# Altium PCB DIO_MCX_Isolated.PCBDOC (part 4 of 5)
Units mm, origin at the board's own origin, x right, y up, seen from the top; angles counter-clockwise.
Board outline 220 x 100 mm, 4 copper layers (L1, P2, P3, L4), stack 1.571 mm thick; 384 components, 255 nets, 1667 pads, 660 vias.
Unrouted connection lines stored in the file: 783.
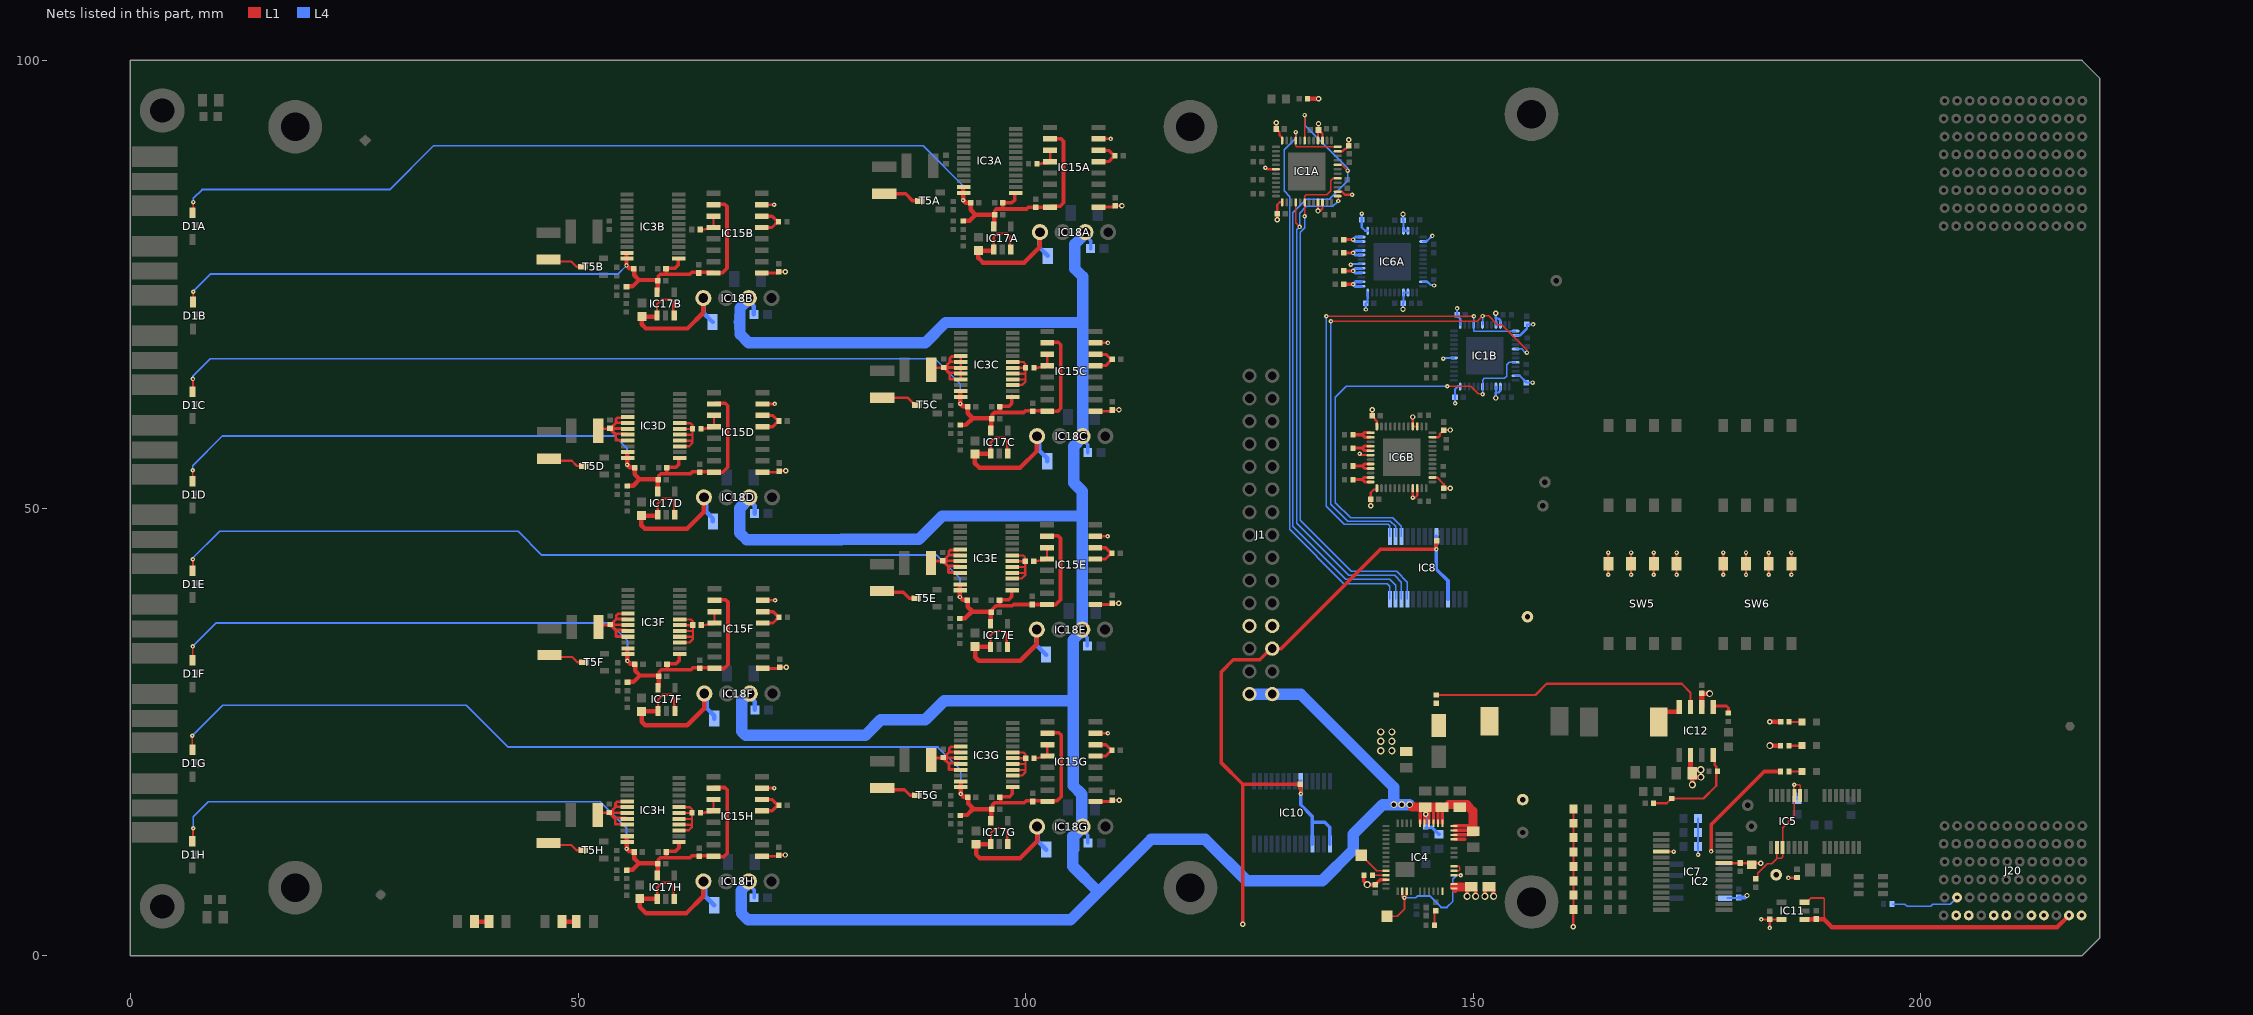
[diagram p6: the nets of this part, all layers, seen from the top]

## Via types
v1: diameter 0.5, hole 0.2, L1 to L4, tented both sides, 381 vias
v2: diameter 0.6, hole 0.3, L1 to L4, tented both sides, 206 vias
v3: diameter 0.5, hole 0.2, L1 to L4, 49 vias
v4: diameter 0.8, hole 0.5, L1 to L4, tented both sides, 19 vias
v5: diameter 0.7, hole 0.4, L1 to L4, tented both sides, 5 vias

## Nets (pads, with @x,y where several pads share a name; then routed paths per layer and width w, separated by ;. In a path a pad name is that pad's centre, name@x,y a point inside that pad or via, vN(x,y) a via of type N, cw(c..) or ccw(c..) an arc to the next point about the centre after c; other vN are vias at no path point) (continued)
NetIC3C_3: IC3C.3 IC3C.4 IC3C.5 IC3C.6 IC3C.7 R63C.1 | length 9.5
  L1 w0.254: IC3C.3@98.534,63.707 98.562,63.735 99.602,63.735 99.979,64.112 99.979,64.396 ; IC3C.4@98.534,64.357 99.94,64.357 99.979,64.396 ; IC3C.5@98.534,65.007 99.968,65.007 99.979,64.996 ; IC3C.6@98.534,65.657 98.545,65.668 R63C.1@99.979,65.668 ; IC3C.7@98.534,66.307 99.753,66.307 99.964,66.096 99.964,65.683 R63C.1@99.979,65.668 ; 99.979,64.396 99.979,64.996 ; 99.979,64.996 R63C.1@99.979,65.668
NetIC3C_17: IC3C.17 IC3C.18 IC3C.19 IC3C.20 IC3C.21 R62C.2 R65C.2 | length 14
  L1 w0.3: R62C.2@89.46,65.455 89.687,65.683 R65C.2@90.88,65.683 ; R65C.2@90.94,65.573 91.519,64.994 91.519,64.402 92.672,64.402 92.711,64.441 IC3C.21@92.75,64.402 ; IC3C.21@92.75,64.372 IC3C.19@92.75,65.672 IC3C.17@92.75,66.972 ; IC3C.20@92.75,65.052 92.675,65.127 91.486,65.127 91.24,65.373 91.24,65.707 ; IC3C.19@92.75,65.702 92.744,65.707 91.24,65.707 ; IC3C.18@92.75,66.352 91.55,66.352 ; IC3C.17@92.75,67.002 92.675,66.927 91.725,66.927 91.55,66.751 91.55,66.352 ; 91.24,65.707 91.24,66.042 91.284,66.086 91.305,66.086 91.467,66.248 91.467,66.269 91.55,66.352
NetIC3D_3: IC3D.3 IC3D.4 IC3D.5 IC3D.6 IC3D.7 R63D.1 | length 9.5
  L1 w0.254: IC3D.3@61.35,56.883 61.378,56.911 62.418,56.911 62.795,57.288 62.795,57.572 ; IC3D.4@61.35,57.533 62.756,57.533 62.795,57.572 ; IC3D.5@61.35,58.183 62.783,58.183 62.795,58.172 ; IC3D.6@61.35,58.833 61.361,58.844 R63D.1@62.795,58.844 ; IC3D.7@61.35,59.483 62.569,59.483 62.78,59.272 R63D.1@62.78,58.859 R63D.1@62.795,58.844 ; 62.795,57.572 62.795,58.172 ; 62.795,58.172 R63D.1@62.795,58.844
NetIC3D_17: IC3D.17 IC3D.18 IC3D.19 IC3D.20 IC3D.21 R62D.2 R65D.2 | length 11.3
  L1 w0.3: R62D.2@52.245,58.631 52.473,58.859 R65D.2@53.565,58.859 ; R65D.2@53.625,58.749 54.204,58.17 54.204,57.577 55.358,57.577 55.396,57.616 IC3D.21@55.435,57.577 ; IC3D.20@55.435,58.227 55.36,58.302 54.172,58.302 53.925,58.549 53.925,58.883 ; IC3D.19@55.435,58.877 55.43,58.883 53.925,58.883 ; IC3D.18@55.435,59.527 54.235,59.527 ; IC3D.17@55.435,60.177 55.36,60.102 54.411,60.102 54.235,59.927 54.235,59.527 ; 53.925,58.883 53.925,59.218 53.969,59.262 53.99,59.262 54.152,59.424 54.152,59.445 54.235,59.527
NetIC3E_3: IC3E.3 IC3E.4 IC3E.5 IC3E.6 IC3E.7 R63E.1 | length 9.5
  L1 w0.254: IC3E.3@98.5,42.106 98.528,42.134 99.568,42.134 99.944,42.511 99.944,42.795 ; IC3E.4@98.5,42.756 99.906,42.756 99.944,42.795 ; IC3E.5@98.5,43.406 99.933,43.406 99.944,43.395 ; IC3E.6@98.5,44.056 98.511,44.067 R63E.1@99.944,44.067 ; IC3E.7@98.5,44.706 99.719,44.706 99.93,44.495 99.93,44.082 R63E.1@99.944,44.067 ; 99.944,42.795 99.944,43.395 ; 99.944,43.395 R63E.1@99.944,44.067
NetIC3E_17: IC3E.17 IC3E.18 IC3E.19 IC3E.20 IC3E.21 R62E.2 R65E.2 | length 11.3
  L1 w0.3: R62E.2@89.425,43.854 89.653,44.082 R65E.2@90.745,44.082 ; R65E.2@90.805,43.972 91.384,43.393 91.384,42.801 92.537,42.801 92.576,42.839 IC3E.21@92.615,42.801 ; IC3E.20@92.615,43.451 92.54,43.526 91.351,43.526 91.105,43.772 91.105,44.106 ; IC3E.19@92.615,44.101 92.609,44.106 91.105,44.106 ; IC3E.18@92.615,44.751 91.415,44.751 ; IC3E.17@92.615,45.401 92.54,45.326 91.591,45.326 91.415,45.15 91.415,44.751 ; 91.105,44.106 91.105,44.441 91.149,44.485 91.17,44.485 91.332,44.647 91.332,44.668 91.415,44.751
NetIC3F_3: IC3F.3 IC3F.4 IC3F.5 IC3F.6 IC3F.7 R63F.1 | length 9.5
  L1 w0.254: IC3F.3@61.39,34.964 61.418,34.992 62.458,34.992 62.835,35.368 62.835,35.652 ; IC3F.4@61.39,35.614 62.796,35.614 62.835,35.652 ; IC3F.5@61.39,36.264 62.823,36.264 62.835,36.252 ; IC3F.6@61.39,36.914 61.401,36.925 R63F.1@62.835,36.925 ; IC3F.7@61.39,37.564 62.609,37.564 62.82,37.352 R63F.1@62.82,36.939 R63F.1@62.835,36.925 ; 62.835,35.652 62.835,36.252 ; 62.835,36.252 R63F.1@62.835,36.925
NetIC3F_17: IC3F.17 IC3F.18 IC3F.19 IC3F.20 IC3F.21 R62F.2 R65F.2 | length 11.3
  L1 w0.3: R62F.2@52.285,36.711 52.513,36.939 R65F.2@53.605,36.939 ; R65F.2@53.665,36.829 54.244,36.251 54.244,35.658 55.398,35.658 55.436,35.697 IC3F.21@55.475,35.658 ; IC3F.20@55.475,36.308 55.4,36.383 54.212,36.383 53.965,36.629 53.965,36.964 ; IC3F.19@55.475,36.958 55.47,36.964 53.965,36.964 ; IC3F.18@55.475,37.608 54.275,37.608 ; IC3F.17@55.475,38.258 55.4,38.183 54.451,38.183 54.275,38.007 54.275,37.608 ; 53.965,36.964 53.965,37.298 54.009,37.342 54.03,37.342 54.192,37.505 54.192,37.525 54.275,37.608
NetIC3G_3: IC3G.3 IC3G.4 IC3G.5 IC3G.6 IC3G.7 R63G.1 | length 9.5
  L1 w0.254: IC3G.3@98.542,20.104 98.571,20.132 99.611,20.132 99.987,20.509 99.987,20.793 ; IC3G.4@98.542,20.754 99.948,20.754 99.987,20.793 ; IC3G.5@98.542,21.404 99.976,21.404 99.987,21.393 ; IC3G.6@98.542,22.054 98.554,22.065 R63G.1@99.987,22.065 ; IC3G.7@98.542,22.704 99.761,22.704 99.973,22.493 99.973,22.08 R63G.1@99.987,22.065 ; 99.987,20.793 99.987,21.393 ; 99.987,21.393 R63G.1@99.987,22.065
NetIC3G_17: IC3G.17 IC3G.18 IC3G.19 IC3G.20 IC3G.21 R62G.2 R65G.2 | length 11.3
  L1 w0.3: R62G.2@89.468,21.852 89.696,22.08 R65G.2@90.788,22.08 ; R65G.2@90.848,21.97 91.427,21.391 91.427,20.799 92.58,20.799 92.619,20.838 IC3G.21@92.658,20.799 ; IC3G.20@92.658,21.449 92.583,21.524 91.394,21.524 91.148,21.77 91.148,22.104 ; IC3G.19@92.658,22.099 92.652,22.104 91.148,22.104 ; IC3G.18@92.658,22.749 91.458,22.749 ; IC3G.17@92.658,23.399 92.583,23.324 91.634,23.324 91.458,23.148 91.458,22.749 ; 91.148,22.104 91.148,22.439 91.192,22.483 91.213,22.483 91.375,22.645 91.375,22.666 91.458,22.749
NetIC3H_3: IC3H.3 IC3H.4 IC3H.5 IC3H.6 IC3H.7 R63H.1 | length 9.5
  L1 w0.254: IC3H.3@61.293,13.978 61.321,14.007 62.361,14.007 62.737,14.383 62.737,14.667 ; IC3H.4@61.293,14.628 62.699,14.628 62.737,14.667 ; IC3H.5@61.293,15.278 62.726,15.278 62.737,15.267 ; IC3H.6@61.293,15.928 61.304,15.94 R63H.1@62.737,15.94 ; IC3H.7@61.293,16.578 62.512,16.578 62.723,16.367 R63H.1@62.723,15.954 R63H.1@62.737,15.94 ; 62.737,14.667 62.737,15.267 ; 62.737,15.267 R63H.1@62.737,15.94
NetIC3H_17: IC3H.17 IC3H.18 IC3H.19 IC3H.20 IC3H.21 R62H.2 R65H.2 | length 11.3
  L1 w0.3: R62H.2@52.188,15.726 52.416,15.954 R65H.2@53.508,15.954 ; R65H.2@53.568,15.844 54.147,15.265 54.147,14.673 55.3,14.673 55.339,14.712 IC3H.21@55.378,14.673 ; IC3H.20@55.378,15.323 55.303,15.398 54.114,15.398 53.868,15.644 53.868,15.979 ; IC3H.19@55.378,15.973 55.372,15.979 53.868,15.979 ; IC3H.18@55.378,16.623 54.178,16.623 ; IC3H.17@55.378,17.273 55.303,17.198 54.354,17.198 54.178,17.022 54.178,16.623 ; 53.868,15.979 53.868,16.313 53.912,16.357 53.933,16.357 54.095,16.519 54.095,16.54 54.178,16.623
NetIC4_4: IC4.4 IC4.43 IC4.44 TP2.1 | length 15.9
  L1 w0.152: IC4.4@147.854,8.995 v1@148.498,8.995
  L1 w0.2: TP2.1@140.356,4.4 141.5,4.4 142.3,5.2 v1(142.3,6.471) ; IC4.43@142.054,7.195 142.029,7.17 142.029,6.588 142.146,6.471 v1(142.3,6.471) ; IC4.44@142.554,7.195 142.529,7.17 142.529,6.635 142.365,6.471 v1(142.3,6.471)
  L4 w0.2: v1(142.3,6.471) 143.583,6.471 143.789,6.677 145.123,6.677 146.4,5.4 147.049,5.4 147.7,6.051 147.7,8.54 148.154,8.995 v1(148.598,8.995)
NetIC4_5: IC4.5 IC4.6 | length 1.7
  L1 w0.152: IC4.5@147.854,9.495 147.859,9.5 148.411,9.5 148.5,9.589 148.5,9.882 148.411,9.971 147.877,9.971 IC4.6@147.854,9.995
NetIC4_37: IC4.37 TP1.1 | length 3.3
  L1 w0.2: TP1.1@137.5,10.9 137.819,10.9 139.224,9.495 IC4.37@140.254,9.495
NetIC4_38: IC4.38 R36.1 | length 1.5
  L1 w0.2: R36.1@138.725,8.97 138.75,8.995 IC4.38@140.254,8.995
NetIC5_5: IC5.5 IC5.6 IC5.12 IC5.13 R27.2 R60.1 | length 17.7
  L1 w0.152: R27.2@181.525,8.595 181.6,8.67 181.62,8.67 181.759,8.809 181.759,9.187 182.847,10.275 183.355,10.275 183.905,10.825 ; IC5.13@183.905,12.1 183.905,10.825 ; IC5.6@186.505,17.9 186.505,18.995 186.414,19.086 185.869,19.086 v1(185.855,19.1) IC5.5@185.855,17.9 185.855,15.605 184.555,14.305 IC5.12@184.555,12.1 184.555,11.055 184.383,10.883 183.963,10.883 183.905,10.825
  L4 w0.152: v1(185.855,19.1) 185.855,18.345 186.133,18.067 R60.1@186.133,17.4
NetIC6A_25: IC6A.25 IC6A.26 R26A.2 | length 3.1
  L1 w0.35: R26A.2@135.529,75 135.531,74.998 v1(136.567,74.996) v1(136.567,74.996)
  L4 w0.35: IC6A.25@137.489,74.764 136.8,74.764 v1(136.567,74.996) 136.846,75.275 IC6A.26@137.5,75.275
NetIC6A_28: IC6A.28 IC6A.29 R25A.2 | length 3.1
  L1 w0.35: R25A.2@135.529,76.505 135.534,76.501 136.563,76.501 v1(136.567,76.496)
  L4 w0.35: IC6A.28@137.489,76.264 136.8,76.264 v1(136.567,76.496) 136.846,76.775 IC6A.29@137.5,76.775
NetIC6A_32: IC6A.32 IC6A.33 R23A.2 | length 3.1
  L1 w0.35: R23A.2@135.529,78.496 v1(136.567,78.496)
  L4 w0.35: IC6A.32@137.489,78.264 136.8,78.264 v1(136.567,78.496) 136.846,78.775 IC6A.33@137.5,78.775
NetIC6A_35: IC6A.35 IC6A.36 R22A.2 | length 3.1
  L1 w0.35: R22A.2@135.529,79.996 v1(136.567,79.996)
  L4 w0.35: IC6A.35@137.489,79.764 136.8,79.764 v1(136.567,79.996) 136.846,80.275 IC6A.36@137.5,80.275
NetIC6B_25: IC6B.25 IC6B.26 R26B.2 | length 3.1
  L1 w0.35: R26B.2@136.545,58.197 R26B.2@136.545,58.197 137.604,58.196 ; IC6B.25@138.525,58.429 137.836,58.429 137.604,58.196 ; IC6B.26@138.536,57.918 137.882,57.918 137.604,58.196
NetIC6B_28: IC6B.28 IC6B.29 R25B.2 | length 3.1
  L1 w0.35: R25B.2@136.545,56.7 136.549,56.696 137.604,56.696 ; IC6B.28@138.525,56.929 137.836,56.929 137.604,56.696 ; IC6B.29@138.536,56.418 137.882,56.418 137.604,56.696
NetIC6B_32: IC6B.32 IC6B.33 R23B.2 | length 3.2
  L1 w0.35: R23B.2@136.545,54.6 136.641,54.696 137.604,54.696 ; IC6B.32@138.525,54.929 137.836,54.929 137.604,54.696 ; IC6B.33@138.536,54.418 137.882,54.418 137.604,54.696
NetIC6B_35: IC6B.35 IC6B.36 R22B.2 | length 3.1
  L1 w0.35: R22B.2@136.545,53.175 136.566,53.196 137.604,53.196 ; IC6B.35@138.525,53.429 137.836,53.429 137.604,53.196 ; IC6B.36@138.536,52.918 137.882,52.918 137.604,53.196
NetIC12_4: IC12.4 R68.1 R101.1 R103.1 | length 11.4
  L1 w0.254: R101.1@170.145,17.025 171.615,17.025 R68.1@172.145,17.555 175.705,17.555 177.145,18.995 177.145,20.625 177.145,21.135 176.978,21.302 176.978,22.227 IC12.4@176.805,22.4
NetIC12_5: IC12.5 R104.2 | length 2.4
  L1 w0.3: IC12.5@176.805,27.8 176.905,27.9 178.275,27.9 178.5,27.675 R104.2@178.5,27.095
NetIC12_8: IC12.8 L6.1 | length 3.5
  L1 w0.5: L6.1@170.713,26.109 170.713,26.525 171.463,27.275 172.945,27.275 172.995,27.325 IC12.8@172.995,27.8
NetIC15A_5: IC15A.5 IC15A.6 R15A.1 | length 4.1
  L1 w0.35: IC15A.5@108.13,88.702 109.268,88.702 109.903,89.338 109.287,89.954 108.148,89.954 IC15A.6@108.13,89.972
NetIC15A_11: IC15A.11 IC15A.12 R63A.2 | length 2.8
  L1 w0.254: R63A.2@101.255,88.472 101.745,88.472 101.802,88.529 102.557,88.529 IC15A.12@102.73,88.702 IC15A.11@102.73,89.972
NetIC15B_5: IC15B.5 IC15B.6 R15B.1 | length 4.1
  L1 w0.35: IC15B.5@70.525,81.346 71.663,81.346 72.299,81.981 71.683,82.597 70.543,82.597 IC15B.6@70.525,82.616
NetIC15B_11: IC15B.11 IC15B.12 R63B.2 | length 2.8
  L1 w0.254: R63B.2@63.65,81.116 64.14,81.116 64.197,81.173 64.952,81.173 IC15B.12@65.125,81.346 IC15B.11@65.125,82.616
NetIC15C_5: IC15C.5 IC15C.6 R15C.1 | length 4.1
  L1 w0.35: IC15C.5@107.81,65.913 108.948,65.913 109.583,66.549 108.967,67.165 107.828,67.165 IC15C.6@107.81,67.183
NetIC15C_11: IC15C.11 IC15C.12 R63C.2 | length 2.8
  L1 w0.254: R63C.2@100.934,65.683 101.424,65.683 101.481,65.74 102.237,65.74 IC15C.12@102.41,65.913 IC15C.11@102.41,67.183
NetIC15D_5: IC15D.5 IC15D.6 R15D.1 | length 4.1
  L1 w0.35: IC15D.5@70.595,59.089 71.733,59.089 72.369,59.724 71.753,60.34 70.614,60.34 IC15D.6@70.595,60.359
NetIC15D_11: IC15D.11 IC15D.12 R63D.2 | length 2.8
  L1 w0.254: R63D.2@63.72,58.859 64.21,58.859 64.267,58.916 65.022,58.916 IC15D.12@65.195,59.089 IC15D.11@65.195,60.359
NetIC15E_5: IC15E.5 IC15E.6 R15E.1 | length 4.1
  L1 w0.35: IC15E.5@107.775,44.312 108.913,44.312 109.549,44.947 108.933,45.563 107.793,45.563 IC15E.6@107.775,45.582
NetIC15E_11: IC15E.11 IC15E.12 R63E.2 | length 2.8
  L1 w0.254: R63E.2@100.9,44.082 101.39,44.082 101.447,44.139 102.202,44.139 IC15E.12@102.375,44.312 IC15E.11@102.375,45.582
NetIC15F_5: IC15F.5 IC15F.6 R15F.1 | length 4.1
  L1 w0.35: IC15F.5@70.635,37.169 71.773,37.169 72.409,37.805 71.793,38.421 70.654,38.421 IC15F.6@70.635,38.439
NetIC15F_11: IC15F.11 IC15F.12 R63F.2 | length 2.8
  L1 w0.254: R63F.2@63.76,36.939 64.25,36.939 64.307,36.996 65.062,36.996 IC15F.12@65.235,37.169 IC15F.11@65.235,38.439
NetIC15G_5: IC15G.5 IC15G.6 R15G.1 | length 4.1
  L1 w0.35: IC15G.5@107.818,22.31 108.956,22.31 109.592,22.946 108.975,23.562 107.836,23.562 IC15G.6@107.818,23.58
NetIC15G_11: IC15G.11 IC15G.12 R63G.2 | length 2.8
  L1 w0.254: R63G.2@100.943,22.08 101.433,22.08 101.49,22.137 102.245,22.137 IC15G.12@102.418,22.31 IC15G.11@102.418,23.58
NetIC15H_5: IC15H.5 IC15H.6 R15H.1 | length 4.1
  L1 w0.35: IC15H.5@70.538,16.184 71.676,16.184 72.312,16.82 71.696,17.436 70.556,17.436 IC15H.6@70.538,17.454
NetIC15H_11: IC15H.11 IC15H.12 R63H.2 | length 2.8
  L1 w0.254: R63H.2@63.663,15.954 64.153,15.954 64.21,16.011 64.965,16.011 IC15H.12@65.138,16.184 IC15H.11@65.138,17.454
NetJ20_K2: J20.K2 R28.2 | length 7.8
  L4 w0.152: R28.2@196.77,5.775 198.197,5.775 198.45,5.522 201.097,5.522 201.322,5.747 203.286,5.747 J20.K2@204.039,6.5
NetLD4_2: LD4.2 R6.1 | length 1.4
  L1 w0.254: R6.1@185.276,23.462 LD4.2@186.7,23.462
NetLD7_2: LD7.2 R8.2 | length 1.4
  L1 w0.254: R8.2@185.276,26.122 185.301,26.097 LD7.2@186.7,26.097
NetLD9_2: LD9.2 R10.2 | length 1.4
  L1 w0.254: R10.2@185.27,20.575 LD9.2@186.7,20.575
NetR3_2: R3.2 R4.1 | length 1.6
  L1 w0.5: R3.2@48.2,3.798 R4.1@49.8,3.798
NetR12_2: R12.2 R14.1 | length 1.6
  L1 w0.5: R14.1@38.45,3.798 R12.2@40.05,3.798
NetR32_1: R32.1 R33.2 | length 1.7
  L1 w0.2: R32.1@145.67,3.4 145.67,4.901 R33.2@145.793,5.025
NetR64A_1: R64A.1 T5A.3 | length 3.7
  L1 w0.4: R64A.1@84.799,85.118 84.817,85.1 86.6,85.1 87.389,84.311 T5A.3@88.15,84.311
NetR64B_1: R64B.1 T5B.3 | length 3.2
  L1 w0.254: R64B.1@47.644,77.761 47.87,77.536 49.238,77.536 49.82,76.954 T5B.3@50.545,76.954
NetR64C_1: R64C.1 T5C.3 | length 3.7
  L1 w0.3: R64C.1@84.479,62.329 86.822,62.329 87.63,61.521 T5C.3@87.83,61.521
NetR64D_1: R64D.1 T5D.3 | length 3.2
  L1 w0.254: R64D.1@47.714,55.504 47.94,55.279 49.309,55.279 49.89,54.697 T5D.3@50.615,54.697
NetR64E_1: R64E.1 T5E.3 | length 3.7
  L1 w0.4: R64E.1@84.444,40.728 84.585,40.587 86.323,40.587 86.989,39.92 T5E.3@87.795,39.92
NetR64F_1: R64F.1 T5F.3 | length 3.2
  L1 w0.254: R64F.1@47.754,33.585 47.98,33.359 49.349,33.359 49.93,32.778 T5F.3@50.655,32.778
NetR64G_1: R64G.1 T5G.3 | length 3.7
  L1 w0.35: R64G.1@84.487,18.726 84.67,18.543 86.457,18.543 87.082,17.918 T5G.3@87.838,17.918
NetR64H_1: R64H.1 T5H.3 | length 3.2
  L1 w0.254: R64H.1@47.657,12.6 47.883,12.374 49.251,12.374 49.833,11.793 T5H.3@50.558,11.792
P3V3: B5.1 C1A.2 C1B.2 C2A.2 C2B.2 C3A.2 C3B.2 C4A.2 C4B.2 C7A.2 C7B.2 C8A.2 C8B.2 C9A.2 C9B.2 C11A.2 C11B.2 C13.1 C14.2 C33A.2 C33B.2 C33C.2 C33D.2 C33E.2 C33F.2 C33G.2 C33H.2 IC1A.2 IC1A.11 IC1A.15 IC1A.16 IC1A.24 IC1A.30 IC1A.37 IC1A.45 IC1A.46 IC1B.2 IC1B.11 IC1B.15 IC1B.16 IC1B.24 IC1B.30 IC1B.37 IC1B.45 IC1B.46 IC6A.2 IC6A.11 IC6A.15 IC6A.16 IC6A.24 IC6A.30 IC6A.37 IC6A.45 IC6A.46 IC6B.2 IC6B.11 IC6B.15 IC6B.16 IC6B.24 IC6B.30 IC6B.37 IC6B.45 IC6B.46 IC15A.1 IC15A.7 IC15B.1 IC15B.7 IC15C.1 IC15C.7 IC15D.1 IC15D.7 IC15E.1 IC15E.7 IC15F.1 IC15F.7 IC15G.1 IC15G.7 IC15H.1 IC15H.7 J1.7 J1.8 L1.2 R8.1 R30.2 R105.2 SW5.5 SW5.6 SW5.7 SW5.8 SW6.5 SW6.6 SW6.7 SW6.8 | length 112.9
  L1 w0.254: v1@126.775,88.067 126.992,87.85 IC1A.30@127.956,87.85 ; v2(128.006,93.05) C8A.2@128.006,92.342 128.342,92.006 128.342,91.664 128.656,91.35 IC1A.24@128.656,91.05 ; v2(128.106,82.192) C9A.2@128.106,82.9 128.106,83.881 128.375,84.15 IC1A.37@128.656,84.15 ; IC1A.45@132.656,83.9 v2(132.656,83.192) 132.898,83.192 133.156,83.45 IC1A.46@133.156,84.15 ; IC1A.16@132.656,91.05 132.656,92.18 C4A.2@132.706,92.23 ; v2(132.706,92.938) C4A.2@132.706,92.23 ; IC1A.15@133.156,91.05 133.156,91.78 C4A.2@132.706,92.23 ; IC1A.2@134.856,85.35 134.865,85.341 135.33,85.341 135.671,85 v1(136.456,85) ; IC1A.11@134.856,89.85 134.865,89.859 135.397,89.859 135.651,90.113 135.763,90.113 C1A.2@136.1,90.45 v2(136.1,91.158) ; v1(137.3,56.078) 137.46,55.918 IC6B.30@138.536,55.918 ; v2(138.542,50.26) C1B.2@138.542,50.968 138.542,51.718 138.892,52.068 139.215,52.068 139.215,52.168 139.236,52.189 IC6B.37@139.236,52.218 ; v2(138.711,61) C2B.2@138.711,60.293 139.047,59.957 139.047,59.877 139.227,59.697 139.227,59.126 IC6B.24@139.236,59.118 ; IC6B.45@143.236,52.218 v1(143.236,51.168) 143.512,51.168 143.512,51.203 143.727,51.418 143.727,52.209 IC6B.46@143.736,52.218 ; v2(143.236,60.168) IC6B.16@143.236,59.118 IC6B.15@143.736,59.118 IC6B.15@143.727,59.126 ; IC6B.2@145.436,53.418 145.445,53.409 145.966,53.409 146.711,52.663 C9B.2@146.711,52.218 v2(147.419,52.218) ; IC6B.11@145.436,57.918 146.099,57.918 146.26,58.079 146.26,58.266 C7B.2@146.711,58.718 v2(147.419,58.718) ; v1(165.085,42.561) SW5.8@165.085,43.777 ; SW5.8@165.085,43.811 v1(165.085,45.035) ; v1(167.625,42.561) SW5.7@167.625,43.777 ; SW5.7@167.625,43.811 v1(167.625,45.035) ; v1(170.165,42.561) SW5.6@170.165,43.777 ; SW5.6@170.165,43.811 v1(170.165,45.035) ; v1(172.705,42.561) SW5.5@172.705,43.777 ; SW5.5@172.705,43.811 v1(172.705,45.035) ; v1(177.92,42.561) SW6.8@177.92,43.777 ; SW6.8@177.92,43.811 v1(177.92,45.035) ; v1(180.46,42.561) SW6.7@180.46,43.777 ; SW6.7@180.46,43.811 v1(180.46,45.035) ; v1(183,42.561) SW6.6@183,43.777 ; SW6.6@183,43.811 v1(183,45.035) ; v1(185.54,42.561) SW6.5@185.54,43.777 ; SW6.5@185.54,43.811 v1(185.54,45.035)
  L1 w0.3: IC15B.1@70.525,76.266 72.27,76.266 C33B.2@72.395,76.391 72.445,76.341 72.517,76.413 v2(73.145,76.413) ; IC15B.7@70.525,83.886 v1(71.895,83.886) ; IC15H.1@70.538,11.104 72.283,11.104 C33H.2@72.408,11.229 72.458,11.179 72.53,11.251 v2(73.158,11.251) ; IC15H.7@70.538,18.724 v1(71.908,18.724) ; IC15D.1@70.595,54.009 72.34,54.009 C33D.2@72.465,54.134 72.515,54.084 72.587,54.156 v2(73.215,54.156) ; IC15D.7@70.595,61.629 v1(71.965,61.629) ; IC15F.1@70.635,32.089 72.38,32.089 C33F.2@72.505,32.214 72.555,32.164 72.627,32.236 v2(73.255,32.236) ; IC15F.7@70.635,39.709 v1(72.005,39.709) ; IC15E.1@107.775,39.232 109.52,39.232 C33E.2@109.645,39.357 109.695,39.307 109.767,39.379 v2(110.395,39.379) ; IC15E.7@107.775,46.852 v1(109.145,46.852) ; IC15C.1@107.81,60.833 109.555,60.833 C33C.2@109.68,60.958 109.73,60.908 109.802,60.98 v2(110.43,60.98) ; IC15C.7@107.81,68.453 v1(109.18,68.453) ; IC15G.1@107.818,17.23 109.563,17.23 C33G.2@109.688,17.355 109.738,17.305 109.81,17.377 v2(110.438,17.377) ; IC15G.7@107.818,24.85 v1(109.188,24.85) ; IC15A.1@108.13,83.622 109.875,83.622 C33A.2@110,83.748 110.05,83.698 110.122,83.769 v2(110.75,83.769) ; IC15A.7@108.13,91.242 v1(109.5,91.242)
  L1 w0.5: R30.2@131.519,95.725 v2(132.718,95.725) ; v2(183.107,26.122) R8.1@184.306,26.122
  L4 w0.254: v1(136.306,77.2) 136.381,77.275 IC6A.30@137.5,77.275 ; v1(137.55,82.894) C2A.2@137.55,82.211 137.55,81.35 137.925,80.975 IC6A.37@138.2,80.975 ; v1(138,72.182) C7A.2@138,72.864 138.183,73.047 138.183,73.396 138.2,73.413 IC6A.24@138.2,74.075 ; v2(142.15,72.192) C3A.2@142.15,72.875 C3A.2@142.2,72.925 ; v2(142.15,82.833) C11A.2@142.15,82.15 142.2,82.1 IC6A.45@142.2,80.975 IC6A.46@142.7,80.975 IC6A.46@142.691,80.984 ; IC6A.16@142.2,74.075 IC6A.15@142.7,74.075 IC6A.15@142.691,74.066 ; IC6A.11@144.4,75.275 144.409,75.266 144.88,75.266 145.236,74.91 145.577,74.91 v1(145.624,74.863) ; IC6A.2@144.4,79.775 144.712,79.775 144.808,79.871 144.867,79.871 145.396,80.4 v1(145.432,80.4) ; v1(147.957,61.717) C11B.2@147.957,62.4 ; C3B.2@148.182,71.618 v1(148.182,72.3) ; C8B.2@155.932,64.023 v1(156.615,64.023) ; C4B.2@155.992,70.518 v1(156.675,70.518)
  L4 w0.255: C3A.2@142.2,72.925 IC6A.16@142.2,74.075 ; v1(146.654,66.7) 146.726,66.773 IC1B.30@147.832,66.773 ; C11B.2@147.957,62.4 147.957,63.285 148.245,63.573 IC1B.24@148.532,63.573 ; C3B.2@148.182,71.618 148.365,71.435 148.365,71.302 148.532,71.135 IC1B.37@148.532,70.473 ; v2(152.5,62.3) 152.5,62.888 152.532,62.92 ; v2(152.5,71.75) 152.5,71.205 152.532,71.173 ; IC1B.16@152.532,63.573 152.532,62.92 ; IC1B.45@152.532,70.473 152.532,71.173 ; IC1B.15@153.032,63.573 153.032,63.128 152.824,62.92 152.532,62.92 ; IC1B.46@153.032,70.473 153.032,70.955 152.814,71.173 152.532,71.173 ; IC1B.11@154.732,64.773 155.182,64.773 C8B.2@155.932,64.023 ; IC1B.2@154.732,69.273 154.741,69.281 155.214,69.281 155.992,70.06 C4B.2@155.992,70.518
  other v1: 126.775,88.017
  other v4: 139.656,22.9 140.904,22.9 139.656,23.95 140.904,23.95 139.656,25 140.904,25
P3V3_ISOA: C31A.2 C32A.2 C34A.2 C36A.2 D1A.2 IC3A.1 IC3A.23 IC3A.24 IC15A.10 IC15A.16 IC17A.5 R61A.2 | length 122.7
  L1 w0.2: D1A.2@6.921,83 7.025,83.104 v1(7.025,84.175)
  L1 w0.4: C34A.2@96.544,82.767 96.544,83.21 96.738,83.404 97.444,83.404 ; IC3A.1@98.87,85.211 98.786,85.211 98.761,85.186 98.761,84.411 98.45,84.1 C32A.2@97.429,84.1 97.444,84.085 97.444,83.404 ; IC15A.10@102.73,91.242 103.954,91.242 104.225,90.971 104.225,84.093 103.855,83.722 102.83,83.722 IC15A.16@102.73,83.622 102.725,83.617 C36A.2@101.105,83.617 100.3,83.617 100.087,83.404 97.444,83.404
  L1 w0.45: 93,85.436 93,85.791 IC3A.23@93.07,85.861
  L1 w0.5: 93,85.436 v1(93,84.393) 93.293,84.1 C31A.2@93.85,84.1 93.85,83.307 94.39,82.767 ; R61A.2@93.015,82.07 93.055,82.11 93.733,82.11 94.39,82.767 ; IC17A.5@96.429,81.467 96.479,81.517 96.479,82.702 C34A.2@96.544,82.767 94.39,82.767
  L4 w0.2: v1(7.025,84.175) 7.025,84.6 8,85.575 28.95,85.575 33.85,90.475 88.545,90.475 93,86.02 v1(93,84.393)
P3V3_ISOB: C31B.2 C32B.2 C34B.2 C36B.2 D1B.2 IC3B.1 IC3B.23 IC3B.24 IC15B.10 IC15B.16 IC17B.5 R61B.2 | length 79.8
  L1 w0.2: D1B.2@6.977,73.008 7.026,73.057 v1(7.026,74.175)
  L1 w0.4: C34B.2@58.954,75.476 58.954,75.878 59.182,76.106 59.37,76.106 59.376,76.113 59.854,76.113 ; IC3B.1@61.171,77.854 61.171,77.119 60.86,76.808 59.839,76.808 59.854,76.793 59.854,76.113 ; IC15B.16@65.125,76.266 66.1,76.266 66.635,76.801 66.635,83.679 66.364,83.951 IC15B.10@65.14,83.951 ; IC15B.16@65.135,76.326 62.71,76.326 62.497,76.113 59.854,76.113
  L1 w0.45: 55.41,78.144 IC3B.23@55.41,78.499
  L1 w0.5: R61B.2@55.41,74.713 55.45,74.753 56.078,74.753 56.8,75.476 ; 55.41,78.144 v1(55.41,77.101) 55.703,76.808 56.26,76.808 56.26,76.016 56.8,75.476 ; IC17B.5@58.839,74.175 58.889,74.225 C34B.2@58.889,75.411 58.954,75.476 56.8,75.476
  L4 w0.2: v1(7.026,74.175) 7.026,74.227 8.937,76.138 54.447,76.138 v1(55.41,77.101)
P3V3_ISOC: C31C.2 C32C.2 C34C.2 C36C.2 D1C.2 IC3C.1 IC3C.23 IC3C.24 IC15C.10 IC15C.16 IC17C.5 R61C.2 | length 120.8
  L1 w0.2: D1C.2@6.921,63 6.975,63.054 v1(6.975,64.425)
  L1 w0.4: C34C.2@96.239,60.043 96.239,60.391 96.522,60.674 96.654,60.674 96.66,60.68 97.139,60.68 ; IC3C.1@98.456,62.462 98.456,61.687 98.145,61.376 97.124,61.376 97.139,61.361 97.139,60.68 ; IC15C.16@102.41,60.833 102.445,60.797 103.55,60.797 103.92,61.168 103.92,68.247 103.648,68.518 IC15C.10@102.425,68.518 ; IC15C.16@102.42,60.893 99.995,60.893 99.782,60.68 97.139,60.68
  L1 w0.45: 92.695,62.712 IC3C.23@92.695,63.067
  L1 w0.5: R61C.2@92.695,59.281 93.322,59.281 94.085,60.043 ; 92.695,62.712 v1(92.695,61.668) 92.988,61.376 93.545,61.376 93.545,60.583 94.085,60.043 ; IC17C.5@96.124,58.743 96.174,58.793 96.174,59.978 96.239,60.043 94.085,60.043
  L4 w0.2: v1(6.975,64.425) 6.975,64.725 8.925,66.675 89.875,66.675 92.695,63.855 v1(92.695,61.668)
P3V3_ISOD: C31D.2 C32D.2 C34D.2 C36D.2 D1D.2 IC3D.1 IC3D.23 IC3D.24 IC15D.10 IC15D.16 IC17D.5 R61D.2 | length 83.2
  L1 w0.2: D1D.2@6.921,53 6.95,53.029 v1(6.95,54.225)
  L1 w0.4: C34D.2@59.024,53.219 59.024,53.621 59.252,53.849 59.44,53.849 59.446,53.856 59.924,53.856 ; IC3D.1@61.335,55.597 61.266,55.597 61.241,55.572 61.241,54.862 60.93,54.551 59.909,54.551 59.924,54.536 59.924,53.856 ; IC15D.16@65.195,54.009 65.204,54 66.162,54 66.705,54.544 66.705,61.422 66.434,61.694 IC15D.10@65.21,61.694 ; IC15D.16@65.21,54.074 65.205,54.069 62.78,54.069 62.567,53.856 59.924,53.856
  L1 w0.45: 55.48,55.887 IC3D.23@55.48,56.243
  L1 w0.5: R61D.2@55.48,52.456 55.52,52.496 56.148,52.496 56.87,53.219 ; 55.48,55.887 v1(55.48,54.844) 55.773,54.551 56.33,54.551 56.33,53.759 56.87,53.219 ; IC17D.5@58.894,51.854 58.927,51.886 58.927,53.121 C34D.2@58.959,53.154 59.024,53.219 56.87,53.219
  L4 w0.2: v1(6.95,54.225) 6.95,54.725 10.275,58.05 54.075,58.05 55.48,56.645 v1(55.48,54.844)
P3V3_ISOE: C31E.2 C32E.2 C34E.2 C36E.2 D1E.2 IC3E.1 IC3E.23 IC3E.24 IC15E.10 IC15E.16 IC17E.5 R61E.2 | length 121.5
  L1 w0.2: D1E.2@6.921,43 6.975,43.054 v1(6.975,44.275)
  L1 w0.4: C34E.2@96.139,38.377 96.204,38.442 96.204,38.624 96.594,39.014 96.655,39.014 96.72,39.079 97.117,39.079 ; C32E.2@97.074,39.709 97.117,39.667 97.117,39.079 ; C32E.2@97.104,39.759 97.089,39.774 98.11,39.774 98.421,40.085 98.421,40.796 98.446,40.821 IC3E.1@98.515,40.821 ; IC15E.10@102.39,46.917 103.614,46.917 103.885,46.645 103.885,39.767 103.35,39.232 IC15E.16@102.375,39.232 98.668,39.232 98.515,39.079 97.117,39.079
  L1 w0.45: 92.66,41.111 IC3E.23@92.66,41.466
  L1 w0.5: R61E.2@92.66,37.679 92.7,37.719 93.265,37.719 94.019,38.473 93.51,38.982 93.51,39.774 92.953,39.774 v1(92.66,40.067) 92.66,41.111 ; 94.05,38.442 C34E.2@96.204,38.442 ; IC17E.5@96.074,37.077 96.107,37.109 96.107,38.344 C34E.2@96.139,38.377
  L4 w0.2: v1(6.975,44.275) 6.975,44.419 9.956,47.4 43.3,47.4 45.95,44.75 90.075,44.75 92.66,42.165 v1(92.66,40.067)
P3V3_ISOF: C31F.2 C32F.2 C34F.2 C36F.2 D1F.2 IC3F.1 IC3F.23 IC3F.24 IC15F.10 IC15F.16 IC17F.5 R61F.2 | length 83.5
  L1 w0.2: D1F.2@6.921,33 6.95,33.029 v1(6.95,34.55)
  L1 w0.4: C34F.2@59.064,31.299 59.064,31.702 59.292,31.93 59.48,31.93 59.486,31.936 59.964,31.936 ; IC3F.1@61.375,33.678 61.306,33.678 61.281,33.653 61.281,32.943 60.97,32.632 59.949,32.632 59.964,32.617 59.964,31.936 ; IC15F.16@65.235,32.089 65.24,32.084 66.325,32.084 66.745,32.505 66.745,39.503 66.474,39.774 IC15F.10@65.25,39.774 ; IC15F.16@65.25,32.154 65.245,32.149 62.82,32.149 62.607,31.936 59.964,31.936
  L1 w0.45: 55.52,33.968 IC3F.23@55.52,34.323
  L1 w0.5: R61F.2@55.52,30.537 55.56,30.577 56.188,30.577 56.91,31.299 ; 55.52,33.968 v1(55.52,32.925) 55.813,32.632 56.37,32.632 56.37,31.839 56.91,31.299 ; IC17F.5@58.949,29.999 58.999,30.049 C34F.2@58.999,31.234 59.064,31.299 56.91,31.299
  L4 w0.2: v1(6.95,34.55) 9.55,37.15 53.55,37.15 55.52,35.18 v1(55.52,32.925)
P3V3_ISOG: C31G.2 C32G.2 C34G.2 C36G.2 D1G.2 IC3G.1 IC3G.23 IC3G.24 IC15G.10 IC15G.16 IC17G.5 R61G.2 | length 123.7
  L1 w0.2: v1(6.911,24.565) 6.911,23.01 D1G.2@6.921,23
  L1 w0.4: C34G.2@96.297,16.44 96.297,16.843 96.525,17.071 96.662,17.071 96.669,17.077 97.197,17.077 ; IC3G.1@98.623,18.884 98.539,18.884 98.514,18.859 98.514,18.083 98.203,17.773 97.182,17.773 97.197,17.757 97.197,17.077 ; IC15G.16@102.418,17.23 IC15G.16@102.478,17.29 ; IC15G.10@102.483,24.915 103.707,24.915 103.978,24.644 103.978,17.765 103.543,17.33 102.518,17.33 IC15G.16@102.478,17.29 ; 97.197,17.077 99.84,17.077 100.053,17.29 IC15G.16@102.478,17.29
  L1 w0.45: 92.753,19.109 IC3G.23@92.753,19.464
  L1 w0.5: R61G.2@92.703,15.678 92.743,15.718 93.449,15.718 94.157,16.426 ; 92.753,19.109 v1(92.753,18.065) 93.046,17.773 93.603,17.773 93.603,16.98 94.208,16.375 C34G.2@96.232,16.375 ; IC17G.5@96.117,15.075 96.162,15.12 96.162,16.315 C34G.2@96.222,16.375
  L4 w0.2: v1(6.911,24.565) 10.321,27.975 37.525,27.975 42.2,23.3 90.2,23.3 92.753,20.747 v1(92.753,18.065)
P3V3_ISOH: C31H.2 C32H.2 C34H.2 C36H.2 D1H.2 IC3H.1 IC3H.23 IC3H.24 IC15H.10 IC15H.16 IC17H.5 R61H.2 | length 84.5
  L1 w0.2: D1H.2@6.977,13.008 6.977,14.177 v1(7.025,14.225)
  L1 w0.4: C34H.2@58.967,10.314 58.967,10.717 59.195,10.945 59.382,10.945 59.389,10.951 59.867,10.951 ; IC3H.1@61.278,12.693 61.278,12.052 60.873,11.647 59.852,11.647 59.867,11.632 59.867,10.951 ; IC15H.16@65.148,11.164 62.723,11.164 62.51,10.951 59.867,10.951 ; IC15H.10@65.153,18.789 66.377,18.789 66.648,18.518 66.648,11.435 66.288,11.075 65.167,11.075 IC15H.16@65.138,11.104 IC15H.16@65.238,11.204
  L1 w0.45: 55.423,12.983 IC3H.23@55.423,13.338
  L1 w0.5: R61H.2@55.423,9.552 55.463,9.592 56.091,9.592 56.813,10.314 ; 55.423,12.983 v1(55.423,11.94) 55.716,11.647 56.273,11.647 56.273,10.854 56.813,10.314 ; IC17H.5@58.852,9.014 58.902,9.064 C34H.2@58.902,10.249 58.967,10.314 56.813,10.314
  L4 w0.2: v1(7.025,14.225) 7.025,15.525 8.7,17.2 52.462,17.2 55.423,14.239 v1(55.423,11.94)
P3V3_MP: B3.1 C12.2 C23.2 C24.2 C27.2 C28.2 C38.2 IC2.8 IC7.9 IC7.18 IC8.9 IC8.18 IC10.9 IC10.15 IC10.18 IC11.5 J1.5 R10.1 R38.2 R39.2 R40.2 R41.2 R42.2 R43.2 R44.2 R45.2 R52.1 R57.2 R58.2 R59.2 | length 128.2
  L1 w0.254: v2(161.175,3.225) 161.175,5.125 R38.2@161.2,5.15 R42.2@161.2,6.757 R39.2@161.2,8.364 R43.2@161.2,9.971 R40.2@161.2,11.579 R44.2@161.2,13.186 R41.2@161.2,14.793 R45.2@161.2,16.4 ; IC7.18@171.45,11.637 v1(172.401,11.637) ; IC7.9@178,10.332 v2(182.122,10.332) ; v1(182.157,4.05) C38.2@183.108,4.05 ; v1(183.108,3.099) C38.2@183.108,4.05 ; IC11.5@184.408,4.05 C38.2@183.108,4.05 ; v1(185.204,8.695) R52.1@186.155,8.695
  L1 w0.4: v2(124.25,3.5) 124.25,19.15 ; v1(130.75,18.1) 130.725,18.125 130.725,19.1 C27.2@130.675,19.15 124.25,19.15 ; C28.2@145.9,46.35 145.85,46.3 145.874,46.276 145.874,45.402 v1(145.875,45.401) 139.626,45.401 128.525,34.3 127.4,34.3 126.15,33.05 123.2,33.05 121.825,31.675 121.825,21.575 124.25,19.15 ; v1(176.559,11.651) 176.559,14.634 182.5,20.575 R10.1@184.33,20.575
  L4 w0.254: v1(175.1,11.286) R57.2@175.1,12.205 R59.2@175.1,13.755 R58.2@175.1,15.314 ; IC2.8@178.394,6.457 C12.2@179.47,6.457
  L4 w0.4: IC10.9@130.725,19.475 130.725,16.848 132.025,15.548 132.025,14.9 ; IC10.18@132.025,12.475 132.025,14.9 ; IC10.15@133.975,12.475 133.975,14.335 133.41,14.9 132.025,14.9 ; IC8.9@145.875,46.825 v1(145.875,45.401) 145.875,43.175 147.175,41.875 IC8.18@147.175,39.825 ; C12.2@179.675,6.5 180.35,6.5 v2(180.575,6.725)
P5V0: C10.2 C15.2 C16.2 C17.2 C21.2 C26A.2 C26B.2 C26C.2 C26D.2 C26E.2 C26F.2 C26G.2 C26H.2 C30A.2 C30B.2 C30C.2 C30D.2 C30E.2 C30F.2 C30G.2 C30H.2 IC4.12 IC4.13 IC4.14 IC4.15 IC4.16 IC4.17 IC4.18 IC4.19 IC4.20 IC4.21 IC18A.2 IC18B.2 IC18C.2 IC18D.2 IC18E.2 IC18F.2 IC18G.2 IC18H.2 J1.1 J1.2 R1.2 | length 372.6
  L1 w0.381: IC4.21@144.054,14.795 144.054,16.19 144.458,16.595 C16.2@144.583,16.595 ; IC4.20@144.554,14.795 144.554,16.565 C16.2@144.583,16.595 ; IC4.19@145.054,14.795 145.054,16.26 144.719,16.595 C16.2@144.633,16.595 C16.2@144.583,16.595 ; IC4.18@145.554,14.795 145.554,16.595 ; IC4.17@146.054,14.795 146.054,16.26 146.388,16.595 147.304,16.864 146.554,16.545 IC4.16@146.554,14.795 ; IC4.12@147.854,12.995 149.029,12.995 ; IC4.13@147.854,13.495 C15.2@150.3,13.495 ; IC4.14@147.854,13.995 149.45,13.995 149.95,14.495 IC4.15@147.854,14.495 ; C15.2@149.404,13.495 149.804,13.895 C15.2@149.979,13.895
  L1 w1: v4@143.13,16.62 143.155,16.595 C16.2@144.583,16.595 ; C16.2@144.883,16.595 145.554,16.595 C17.2@146.388,16.595 ; 147.304,16.864 149.304,16.864 149.505,16.595 149.95,16.15 149.95,14.495
  L4 w0.381: v2(144.7,15.795) 144.705,15.79 R1.2@144.705,14.365 145.334,14.365 146.154,13.545 C21.2@146.179,13.545
  L4 w0.4: IC18H.2@69.083,8.156 69.083,7.92 69.663,7.34 C30H.2@69.663,6.472 ; IC18E.2@106.32,36.283 106.32,36.048 106.9,35.468 C30E.2@106.9,34.6 ; IC18C.2@106.355,57.885 106.355,57.649 106.935,57.069 C30C.2@106.935,56.201 ; IC18G.2@106.363,14.282 106.363,14.046 106.943,13.466 C30G.2@106.943,12.598 ; IC18A.2@106.675,80.674 106.675,80.439 107.255,79.859 C30A.2@107.255,78.991
  L4 w0.5: C26B.2@68.085,70.846 68.175,70.936 68.175,72.214 69.07,73.109 69.65,72.529 C30B.2@69.65,71.634 ; IC18D.2@69.14,51.01 69.14,50.852 69.72,50.272 C30D.2@69.72,49.377 ; IC18F.2@69.18,29.284 69.18,28.933 69.76,28.353 C30F.2@69.76,27.458
  L4 w1.27: C26H.2@68.213,5.049 C26H.2@68.213,5.639 68.213,7.286 69.083,8.156 IC18H.2@69.083,8.249 ; 68.273,4.714 68.987,4 105,4 108.125,7.125 ; IC18B.2@69.07,73.461 69.07,73.317 68.085,72.332 68.085,70.846 C26B.2@68.025,70.786 68.085,70.726 68.085,69.431 69.041,68.475 88.8,68.475 91.048,70.723 106.307,70.723 106.355,70.675 ; IC18D.2@69.14,51.01 69.09,51.01 68.07,49.99 C26D.2@68.07,48.504 68.07,47.223 68.814,46.479 79.4,46.479 79.421,46.5 88.05,46.5 90.671,49.121 105.949,49.121 106.32,48.75 ; IC18F.2@69.18,29.284 69.046,29.284 68.302,28.54 68.302,25.106 68.27,25.074 68.711,24.633 82.1,24.633 83.82,26.352 88.777,26.352 90.904,28.479 105.221,28.479 ; 105.25,13.35 105.25,10 108.125,7.125 ; C26G.2@105.293,11.848 105.353,11.908 105.353,13.272 106.363,14.282 IC18G.2@106.363,14.425 106.261,14.526 106.261,18.026 105.293,18.994 105.293,35.256 106.32,36.283 IC18E.2@106.32,36.427 ; IC18E.2@106.32,36.567 106.32,48.75 ; IC18A.2@106.675,80.817 106.675,80.674 105.5,79.499 105.5,76.72 106.355,75.865 106.355,70.675 ; J1.2@125,29.22 130.705,29.22 141.125,18.8 v4(141.125,16.875) ; v4(142.875,16.875) v4(141.125,16.875) ; 106.32,48.75 106.32,51.88 105.375,52.825 105.375,56.905 106.355,57.885 IC18C.2@106.355,58.028 106.355,70.675 ; 108.125,7.125 113.995,12.995 120.055,12.995 124.686,8.364 133.12,8.364 136.575,11.819 136.575,13.575 139.875,16.875 v4(141.125,16.875)
  other v4: 142,16.875
P5V0_ISOA: C26A.1 C35A.2 IC17A.1 IC17A.3 IC18A.4 | length 20.1
  L1 w0.254: IC17A.1@96.429,78.867 96.429,80.271 96.825,80.667 97.925,80.667 98.25,80.342 98.25,78.946 IC17A.3@98.329,78.867
  L1 w0.5: IC17A.1@96.429,78.867 96.429,78.8 96.379,78.75 C35A.2@94.725,78.75 94.725,77.925 95.225,77.425 99.84,77.425 101.582,79.167 101.582,80.805 IC18A.4@101.595,80.817 ; IC17A.3@98.329,78.867 IC17A.3@98.354,78.842
  L4 w0.5: IC18A.4@101.595,80.817 101.595,79.055 C26A.1@102.475,78.175
P5V0_ISOB: C26B.1 C35B.2 IC17B.1 IC17B.3 IC18B.4 | length 20.2
  L1 w0.254: IC17B.1@58.824,71.511 58.824,72.771 59.363,73.311 60.315,73.311 60.318,73.308 ; 60.32,73.311 60.645,72.986 60.645,71.589 IC17B.3@60.724,71.511
  L1 w0.5: IC17B.1@58.824,71.511 58.824,71.436 58.774,71.386 C35B.2@57.123,71.386 57.123,70.52 57.584,70.059 62.226,70.059 63.977,71.811 63.977,73.448 IC18B.4@63.99,73.461 ; IC17B.3@60.724,71.511 IC17B.3@60.749,71.486
  L4 w0.5: IC18B.4@63.99,73.461 64,73.451 64,71.811 C26B.1@65.025,70.786
P5V0_ISOC: C26C.1 C35C.2 IC17C.1 IC17C.3 IC18C.4 | length 20.6
  L1 w0.254: IC17C.1@96.109,56.078 96.109,57.339 96.648,57.878 97.6,57.878 97.602,57.875 ; 97.605,57.878 97.93,57.553 97.93,56.157 IC17C.3@98.009,56.078
  L1 w0.5: IC17C.1@96.109,56.078 96.084,56.053 94.363,56.053 C35C.2@94.326,56.016 94.326,54.999 94.799,54.526 99.41,54.526 101.262,56.378 101.262,58.015 IC18C.4@101.275,58.028 ; IC17C.3@98.009,56.078 IC17C.3@98.034,56.053
  L4 w0.5: IC18C.4@101.275,58.028 101.523,57.779 101.523,56.428 102.4,55.551 C26C.1@102.4,55.226
P5V0_ISOD: C26D.1 C35D.2 IC17D.1 IC17D.3 IC18D.4 | length 20.6
  L1 w0.254: IC17D.1@58.894,49.254 58.894,50.514 59.434,51.054 60.385,51.054 60.388,51.051 ; 60.39,51.054 60.715,50.729 60.715,49.333 IC17D.3@60.794,49.254
  L1 w0.5: IC17D.1@58.894,49.254 58.894,49.205 58.844,49.155 C35D.2@57.07,49.155 57.07,48.079 57.47,47.679 62.173,47.679 64.048,49.554 64.048,51.191 IC18D.4@64.06,51.204 ; IC17D.3@60.794,49.254 IC17D.3@60.819,49.229
  L4 w0.5: IC18D.4@64.06,51.204 64.309,50.955 64.309,49.59 65.07,48.829 C26D.1@65.07,48.504
P5V0_ISOE: C26E.1 C35E.2 IC17E.1 IC17E.3 IC18E.4 | length 20.6
  L1 w0.254: IC17E.1@96.074,34.477 96.074,35.795 96.556,36.277 97.57,36.277 97.895,35.952 97.895,34.556 IC17E.3@97.974,34.477
  L1 w0.5: IC17E.1@96.074,34.477 96.074,34.485 96.024,34.535 C35E.2@94.35,34.535 94.35,33.345 94.745,32.95 99.401,32.95 101.227,34.777 101.227,36.414 IC18E.4@101.24,36.427 ; IC17E.3@97.974,34.477 IC17E.3@97.999,34.452
  L4 w0.5: IC18E.4@101.24,36.427 101.24,34.66 C26E.1@102.275,33.625
P5V0_ISOF: C26F.1 C35F.2 IC17F.1 IC17F.3 IC18F.4 | length 20.8
  L1 w0.254: IC17F.1@58.934,27.334 58.934,28.595 59.474,29.134 60.425,29.134 60.428,29.132 ; 60.43,29.134 60.755,28.809 60.755,27.413 IC17F.3@60.834,27.334
  L1 w0.5: IC17F.1@58.934,27.334 58.89,27.29 C35F.2@57.103,27.29 57.103,26.12 57.491,25.733 62.186,25.733 64.088,27.634 64.088,29.272 IC18F.4@64.1,29.284 ; IC17F.3@60.834,27.334 IC17F.3@60.859,27.309
  L4 w0.5: IC18F.4@64.1,29.284 64.349,29.036 64.349,27.676 65.21,26.815 C26F.1@65.21,26.49
P5V0_ISOG: C26G.1 C35G.2 IC17G.1 IC17G.3 IC18G.4 | length 20.2
  L1 w0.254: IC17G.1@96.117,12.475 96.117,13.736 96.656,14.275 97.608,14.275 97.61,14.272 ; 97.613,14.275 97.938,13.95 97.938,12.554 IC17G.3@98.017,12.475
  L1 w0.5: IC17G.1@96.117,12.475 96.09,12.448 C35G.2@94.453,12.448 94.453,11.313 94.858,10.908 99.403,10.908 101.27,12.775 101.27,14.412 IC18G.4@101.283,14.425 ; IC17G.3@98.017,12.475 IC17G.3@98.042,12.45
  L4 w0.5: IC18G.4@101.283,14.425 101.366,14.342 101.366,12.775 C26G.1@102.293,11.848
P5V0_ISOH: C26H.1 C35H.2 IC17H.1 IC17H.3 IC18H.4 | length 20.9
  L1 w0.254: IC17H.1@58.837,6.349 58.837,7.61 59.376,8.149 60.328,8.149 60.33,8.147 ; 60.333,8.149 60.658,7.824 60.658,6.428 IC17H.3@60.737,6.349
  L1 w0.5: IC17H.1@58.837,6.349 58.812,6.374 C35H.2@56.89,6.374 56.89,5.443 57.613,4.719 62.06,4.719 63.99,6.649 63.99,8.287 IC18H.4@64.003,8.299 ; IC17H.3@60.737,6.349 IC17H.3@60.762,6.324
  L4 w0.5: IC18H.4@64.003,8.299 64.202,8.1 64.202,6.649 C26H.1@65.213,5.639
P5V0_MP: C37.2 IC11.1 IC11.3 J20.B1 | length 34.9
  L1 w0.2: IC11.3@187.258,5.95 187.765,6.457 189.083,6.457 189.2,6.34 189.2,4.05
  L1 w0.5: IC11.1@187.008,4.05 189.2,4.05 190.05,3.2 215.239,3.2 J20.B1@216.539,4.5
P12V0: B6.1 C18.2 C19.2 C20.2 C93.2 C123.2 IC4.1 IC4.2 IC4.39 IC4.52 IC12.2 IC12.6 J20.A1 J20.D1 J20.E1 J20.G1 J20.H1 J20.J1 J20.K1 R6.2 R36.2 | length 19
  L1 w0.381: R36.2@137.785,8.97 137.785,8.315 v4(138.155,7.945) 138.954,7.945 139.004,7.995 C20.2@139.054,7.945 139.604,8.495 IC4.39@140.254,8.495
  L1 w0.4: v4(149.304,6.639) C19.2@149.304,7.395 ; v4(150.258,6.639) C19.2@150.258,7.395 ; v4(151.304,6.639) C18.2@151.304,7.395 ; v4(152.258,6.639) C18.2@152.258,7.395
  L1 w0.5: C123.2@174.45,20.37 174.45,20.5 174.725,20.775 v4(175.398,20.775) ; v4(174.475,19.102) C123.2@174.475,19.775 ; C123.2@174.75,19.95 v4(175.423,19.95) ; C93.2@175.535,29.3 175.551,29.284 v4(176.4,29.284) ; v4(183.137,23.462) R6.2@184.336,23.462
  L1 w0.6: 147.7,7.7 147.7,7.766 147.791,7.857 149.616,7.857 C19.2@149.754,7.72 149.529,7.495 148.154,7.495 147.959,7.3 147.9,7.3 ; IC12.2@174.265,22.4 174.265,20.555 C123.2@174.45,20.37 ; IC12.6@175.535,27.8 C93.2@175.535,29.3
  L4 w0.5: v4(175.398,20.775) v4(175.398,20.775)
PG: IC12.7 R105.1 | length 30.9
  L1 w0.254: R105.1@145.85,29.132 156.938,29.132 158.18,30.375 173.275,30.375 174.265,29.385 IC12.7@174.265,27.8
R\E\_DE1A: IC1A.1 IC1A.40 IC8.26 | length 59.5
  L1 w0.152: IC1A.40@130.156,84.15 130.165,84.141 130.156,84.132 130.156,83.3 130.156,81.857 v1(130.6,81.413) ; v1(134.906,84.3) IC1A.1@134.906,84.8
  L1 w0.254: IC1A.1@134.856,84.85 IC1A.1@134.906,84.8
  L4 w0.152: v1(134.906,84.3) 134.906,84.23 134.836,84.23 134.301,83.695 131.353,83.695 130.6,82.943 v1(130.6,81.413) 130.256,81.069 130.256,48.319 136.075,42.5 141.2,42.5 141.975,41.725 IC8.26@141.975,39.825
R\E\_DE1B: IC1B.1 IC1B.40 IC8.1 | length 53.2
  L1 w0.152: v1(133.593,71.418) v1(150.07,71.418)
  L4 w0.152: v1(133.593,71.418) 133.593,50.182 135.575,48.2 140.475,48.2 140.675,48 IC8.1@140.675,46.825 ; v1(150.07,71.418) 150.07,71.402 150.032,71.364 IC1B.40@150.032,70.473 150.032,69.817 150.122,69.728 154.687,69.728 IC1B.1@154.732,69.773
R\E\_DE2A: IC1A.5 IC1A.42 IC8.25 | length 58.7
  L1 w0.152: v1(131.156,82.6) IC1A.42@131.156,84.15 131.165,84.159 131.165,84.851 131.314,85 133.656,85 134.077,85.421 134.077,86.571 134.347,86.841 134.847,86.841 IC1A.5@134.856,86.85 IC1A.5@135.168,86.85
  L4 w0.152: v1(131.156,82.6) 131.156,81.322 130.66,80.826 130.66,48.615 136.35,42.925 141.425,42.925 142.625,41.725 IC8.25@142.625,39.825
R\E\_DE2B: IC1B.5 IC1B.42 IC8.2 | length 56.3
  L1 w0.152: v1(134.1,70.875) 150.451,70.875 v1(151.032,71.456) 151.7,71.456 152.656,70.5 153.195,70.5 155.987,67.708 v1(155.987,67.368)
  L4 w0.152: v1(134.1,70.875) 134.1,50.4 135.975,48.525 140.75,48.525 141.325,47.95 IC8.2@141.325,46.825 ; IC1B.42@151.032,70.473 v1(151.032,71.456) ; IC1B.5@154.732,67.773 155.395,67.773 155.8,67.368 v1(155.987,67.368)
R\E\_DE3A: IC1A.8 IC1A.19 IC8.27 | length 71.9
  L1 w0.152: IC1A.19@131.156,91.05 v1(131.156,93.9) ; IC1A.8@134.856,88.35 134.865,88.341 135.315,88.341 v1(135.956,87.7)
  L4 w0.152: v1(131.156,93.9) 131.156,92.744 135.956,87.944 v1(135.956,87.7) 135.956,86.565 133.891,84.5 131.356,84.5 129.856,83 129.856,47.969 135.775,42.05 140.65,42.05 141.325,41.375 IC8.27@141.325,39.825
R\E\_DE3B: IC1B.8 IC1B.19 IC8.3 | length 45.5
  L1 w0.152: v1(147.096,63.6) 149.738,63.6 150.548,62.789 150.966,62.789 v1(151.032,62.723)
  L4 w0.152: IC8.3@141.975,46.825 141.975,47.95 141.025,48.9 136.3,48.9 134.579,50.621 134.579,62.375 135.805,63.6 v1(147.096,63.6) ; v1(151.032,62.723) IC1B.19@151.032,63.573 151.032,64.268 151.247,64.483 153.478,64.483 153.741,64.746 153.741,66.017 153.997,66.273 154.722,66.273 154.727,66.268 IC1B.8@154.732,66.273
R\E\_DE4A: IC1A.12 IC1A.21 IC8.28 | length 66.7
  L1 w0.152: v1(130.156,92) IC1A.21@130.156,91.05 130.165,91.041 130.165,90.485 130.304,90.346 134.852,90.346 IC1A.12@134.856,90.35
  L4 w0.152: v1(130.156,92) 130.156,91.3 128.856,90 128.856,85.432 129.509,84.778 129.509,47.616 135.55,41.575 140.382,41.575 140.675,41.282 IC8.28@140.675,39.825